# Altium PCB nrf_ha_sensor.PcbDoc (continued)
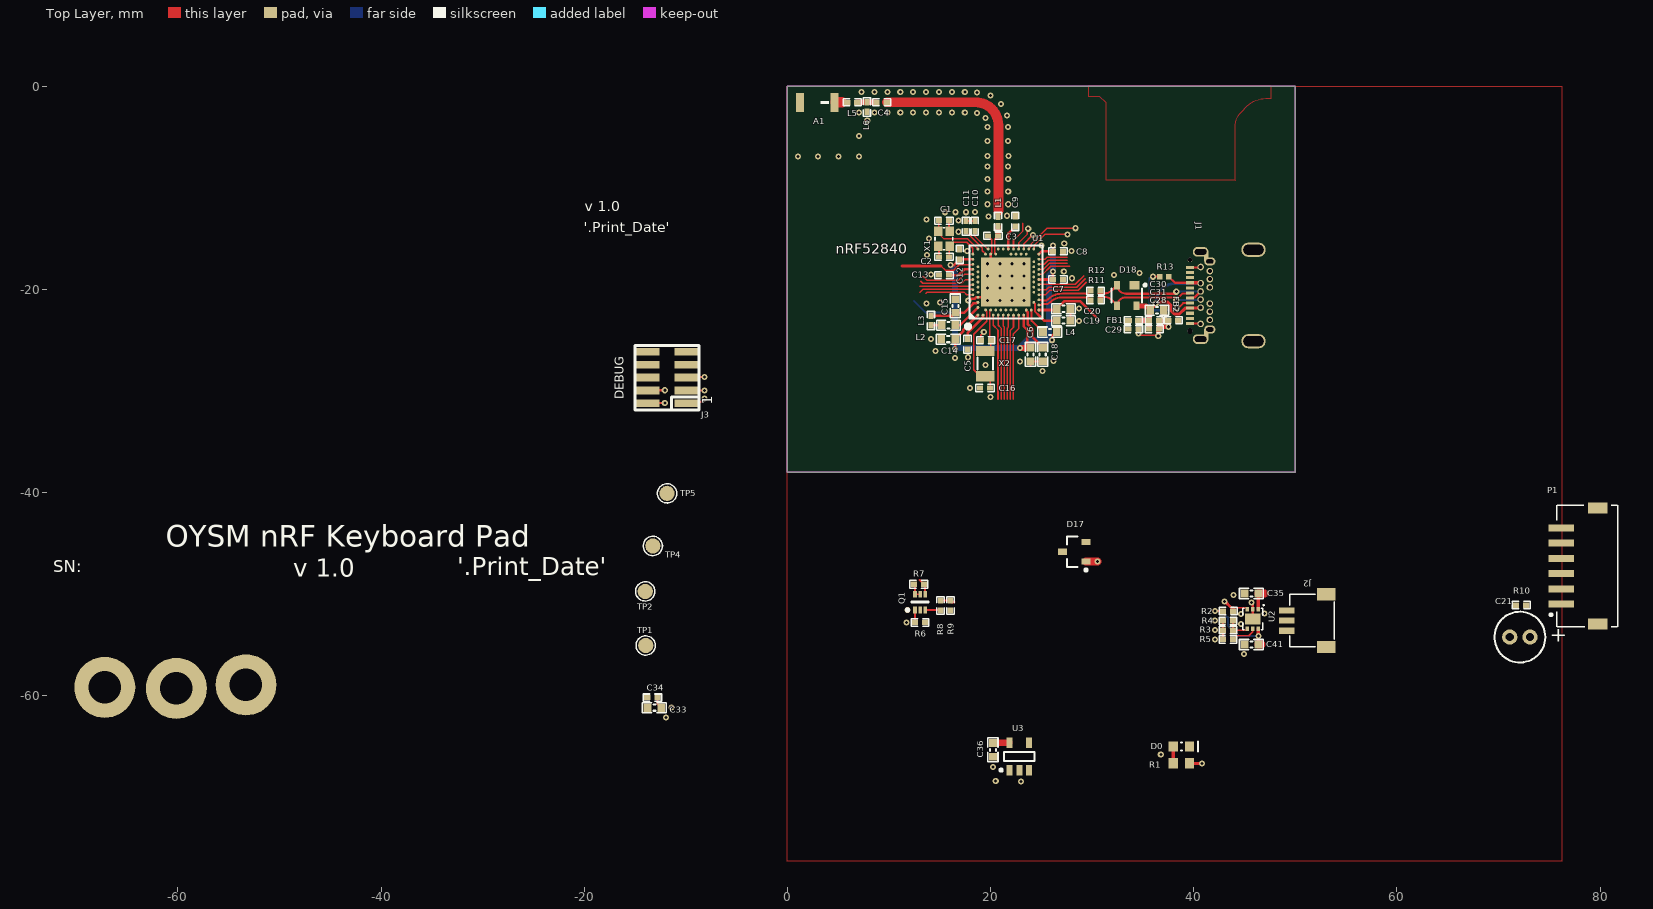
[diagram p0: Top Layer view]
## Part data (continued)
J1: library part 5676, "TH and SMD", id=5676, komponenttype=11, leverandor=Farnell, leverandor_varenr=2578451, navn="USB C connector", nokkelord="usb c solder", pakke_opprettet="08.02.2020 21:56:58", pakke_opprettet_av=1855, pris=20, produsent="JST (JAPAN SOLDERLESS TERMINALS)", symbol_opprettet="08.02.2020 21:55:28", symbol_opprettet_av=1855
J2: library part SM03B-SRSS-TB, "1.0mm pitch connector side entry SMD", Manufacturer=JST, Manufacturer Part Number=SM03B-SRSS-TB(LF)(SN), Part number IPS=00000001785, Supplier Part Number 1=455-1803-1-ND, Artikkelnr Noca=N.A., ComponentLink1Description=Datasheet, ComponentLink2Description="Supplier link", Footprint Doc=SM03B-SRSS-TB, HelpURL=http://www.jst-mfg.com/product/pdf/eng/eSH.pdf, LatestRevisionDate=2017-10-09, Note="JST, Header", Part Number=SM03B-SRSS-TB, Pin Count=3, Published=2017-10-09, Publisher="Nordic Semiconductor", Supplier 1=Digi-Key
J3: library part "Pin Header 2x5 SMD, 1.27mm, KS", "Pin Header 2x5, 1.27mm (50mil), SMD, Keying Shroud", 2nd source part number=FTSH-105-01-F-DV-K, Manufacturer=W-CON, Manufacturer Part Number=3132-10MS0BK00R1, 2nd source Supplier=Samtec, Artikkelnr Noca=55010009, Artikkelnr Simpro=N.A., Datasheet=\\hizz\pro\app9717\Datasheet\connectores\W-CON\3132-XXMXXBK00XX.pdf, Footprint Doc=HDR_2x5-SMD-1.27mm, LatestRevisionDate=2016-04-21, Part Number="Pin Header 2x5 SMD, 1.27mm, KS", Pin Count=10, Published=2016-01-22, Publisher="Nordic Semiconductor", Supplier=Cabcon, Supplier part number=3132-10MS0BK00R1
L1: library part L0402-3n3, "Inductor, 190mA, ±0.1nH", Manufacturer=Murata, Manufacturer Part Number=LQP15MN3N3B02D, Supplier part number=490-1130-1-ND, Artikkelnr Noca=33029369, Artikkelnr Simpro=N.A., Datasheet=http://search.murata.co.jp/Ceramy/image/img/PDF/ENG/L0075S0084LQP15M.pdf, Footprint Doc=0402, LatestRevisionDate=2012-09-19, Note="High frequency chip inductor ±5%", Part Number=L0402-3n3, Pin Count=2, Published=2009-05-08, Publisher="Nordic Semiconductor", Supplier=Digi-Key
L2 L4: library part L0603-10µ, "Inductor, 80mA, ±10%", 2nd source part number=178-6105, Manufacturer="Taiyo Yuden", Manufacturer Part Number=LBMF1608T100K, Supplier part number=587-1714-1-ND, 2nd source Supplier=Farnell, Artikkelnr Noca=33029314, Artikkelnr Simpro=N.A., Datasheet=http://www.yuden.co.jp/ut/product/pdf/elb2_e.pdf, Footprint Doc=0603, LatestRevisionDate=2012-09-19, Note="LBMF1608T100K 10µH 80mA 0603", Part Number=L0603-10µ, Pin Count=2, Published=2010-02-24, Publisher="Nordic Semiconductor", Supplier=Digi-Key
L3: library part L0402-15n, "Inductor, 320mA, ±5%", 2nd source part number=658-1328, Manufacturer="Taiyo Yuden", Manufacturer Part Number=HK100515NJ-T, Supplier part number=587-1521-1-ND, 2nd source Supplier=Farnell, Artikkelnr Noca=33029323, Artikkelnr Simpro=N.A., Datasheet=http://www.yuden.co.jp/productdata/catalog/en/mlci04_e.pdf, Footprint Doc=0402, LatestRevisionDate=2012-09-19, Note="High frequency chip inductor ±10%", Part Number=L0402-15n, Pin Count=2, Published=2010-07-12, Publisher="Nordic Semiconductor", Supplier=Digi-Key
L5: library part L0402-3n9, "Inductor, 170mA, ±0.1nH", Manufacturer=Murata, Manufacturer Part Number=LQP15MN3N9B02D, Part number IPS=00000007793, Supplier Part Number 1=490-1131-1-ND, Artikkelnr Noca=33029151, ComponentLink1Description=Datasheet, ComponentLink2Description="Supplier link", Footprint Doc=0402, HelpURL=http://search.murata.co.jp/Ceramy/image/img/PDF/ENG/L0075S0084LQP15M.pdf, LatestRevisionDate=2012-09-19, Note="High frequency chip inductor ±5%", Part Number=L0402-3n9, Pin Count=2, Published=2009-05-08, Publisher="Nordic Semiconductor", Supplier 1=Digi-Key
L6: library part L0402-N.C., "Not mounted", Part number IPS=N.A., Artikkelnr Noca=N.A., Assembly="Not mounted", ComponentLink1Description=Datasheet, ComponentLink2Description="Supplier link", Footprint Doc=0402, LatestRevisionDate=2016-11-24, Part Number=L0402-N.C., Pin Count=2, Published=2016-11-24, Publisher="Nordic Semiconductor"
P1: library part S6B-ZR-SM4A-TF
Q1: "Dual N & P Ch MOFET, 1.03A/0.7A, 480mOhm, 450mW", Manufacturer="Diodes Incorporated", Part number IPS=00000007803, Supplier Part Number 1=DMC2400UV-7DICT-ND, Artikkelnr Noca=N.A., ComponentLink1Description=Datasheet, ComponentLink2Description="Supplier link", Footprint Doc=SOT-563, HelpURL=http://www.diodes.com/_files/datasheets/DMC2400UV.pdf, LatestRevisionDate=2016-01-18, Manufacturer Part Number=DMC2400UV, Note="Dual N & P Channel Digital FET", Part Number=DMC2400UV, Pin Count=6, Published=2016-01-18, Publisher="Nordic Semiconductor", Supplier 1=Digi-Key
R1: library part 5389, "0.1W 1% Thick film resistor", antall=100, dybde=48, hylle=2, id=5389, komponenttype=1, lager_type=Fremlager, navn=1k, pakke_opprettet="08/07/2014 21:15:30", pakke_opprettet_av=815, pakketype=0603, pris=0, rad=-1, rom=OV, symbol_opprettet="08/07/2014 21:16:33", symbol_opprettet_av=815
R2: library part R0402-10k, "Resistor, ±1%, 0.063W", Part number IPS=00000002093, Supplier Part Number 1=173-8864, Artikkelnr Noca=27049097, ComponentLink1Description=Datasheet, ComponentLink2Description="Supplier link", Footprint Doc=0402, LatestRevisionDate=2009-11-23, Note="Chip Res 1%", Part Number=R0402-10k, Pin Count=2, Published=2009-05-08, Publisher="Nordic Semiconductor", Supplier 1=Farnell
R3: library part R0402-27k, "Resistor, ±1%, 0.063W", Part number IPS=00000004188, Supplier Part Number 1=173-8869, Artikkelnr Noca=27049107, ComponentLink1Description=Datasheet, ComponentLink2Description="Supplier link", Footprint Doc=0402, LatestRevisionDate=2009-11-23, Note="Chip Res 1%", Part Number=R0402-27k, Pin Count=2, Published=2009-05-08, Publisher="Nordic Semiconductor", Supplier 1=Farnell
R4: library part R0402-15k, "Resistor, ±1%, 0.063W", Part number IPS=00000002098, Supplier Part Number 1=173-8866, Artikkelnr Noca=27049101, ComponentLink1Description=Datasheet, ComponentLink2Description="Supplier link", Footprint Doc=0402, LatestRevisionDate=2009-11-23, Note="Chip Res 1%", Part Number=R0402-15k, Pin Count=2, Published=2009-05-08, Publisher="Nordic Semiconductor", Supplier 1=Farnell
R5: library part NCP15XH103F03RC, "THERMISTOR 10K OHM NTC 0402 SMD", Manufacturer=Murata, Part number IPS=00000007808, Supplier Part Number 1=490-4801-1-ND, Artikkelnr Noca=N.A., Assembly="Not mounted", ComponentLink1Description=Datasheet, ComponentLink2Description="Supplier link", Footprint Doc=0402, LatestRevisionDate=2015-03-25, Manufacturer Part Number=NCP15XH103F03RC, Note="Chip Res 1%", Part Number=NCP15XH103F03RC, Pin Count=2, Published=2015-03-25, Publisher="Nordic Semiconductor", Supplier 1=Digi-Key, Supplier 2=Farnell, Supplier Part Number 2=245-6121
R6 R7: library part R0402-1M0, "Resistor, ±1%, 0.063W", Part number IPS=00000006807, Artikkelnr Noca=27049145, ComponentLink1Description=Datasheet, ComponentLink2Description="Supplier link", Footprint Doc=0402, LatestRevisionDate=2009-11-23, Note="Chip Res 1%", Part Number=R0402-1M0, Pin Count=2, Published=2009-05-08, Publisher="Nordic Semiconductor"
R8: library part R0402-1M5, "Resistor, ±1%, 0.063W", Part number IPS=00000007809, Artikkelnr Noca=27049149, ComponentLink1Description=Datasheet, ComponentLink2Description="Supplier link", Footprint Doc=0402, LatestRevisionDate=2009-11-23, Note="Chip Res 1%", Part Number=R0402-1M5, Pin Count=2, Published=2009-05-08, Publisher="Nordic Semiconductor"
R9: library part R0402-180k, "Resistor, ±1%, 0.063W", Part number IPS=00000007810, Artikkelnr Noca=27049127, ComponentLink1Description=Datasheet, ComponentLink2Description="Supplier link", Footprint Doc=0402, LatestRevisionDate=2009-11-23, Note="Chip Res 1%", Part Number=R0402-180k, Pin Count=2, Published=2009-05-08, Publisher="Nordic Semiconductor"
R10: library part R0402-150, "Resistor, ±1%, 0.063W", Part number IPS=N.A., Supplier Part Number 1=173-8839, Artikkelnr Noca=27049053, ComponentLink1Description=Datasheet, ComponentLink2Description="Supplier link", Footprint Doc=0402, LatestRevisionDate=2009-11-23, Note="Chip Res 1%", Part Number=R0402-150, Pin Count=2, Published=2009-05-08, Publisher="Nordic Semiconductor", Supplier 1=Farnell
R11 R12: library part R0402-39R, "Resistor, ±1%, 0.063W", Part number IPS=00000000821, Supplier part number=173-8831, Value Ohm=39, Artikkelnr Noca=27049039, Artikkelnr Simpro=N.A., Footprint Doc=0402, LatestRevisionDate=2009-11-23, Note="Chip Res 1%", Part Number=R0402-39R, Pin Count=2, Published=2009-05-08, Publisher="Nordic Semiconductor", Supplier=Farnell
R13: library part 5677, "0.1W 1% Thick film resistor", id=5677, komponenttype=1, navn=56k, pakke_opprettet="12.05.2019 22:25:28", pakke_opprettet_av=1855, pakketype=0402, pris=0, symbol_opprettet="08.07.2014 21:16:33", symbol_opprettet_av=815
TP1 TP2 TP4 TP5: library part TP_SMD_Ø1.5MM, "1.0mm circular SMD testpad", Manufacturer="Nordic Semiconductor", Part number IPS=N.A., Artikkelnr Noca=N.A., ComponentLink1Description=Datasheet, ComponentLink2Description="Supplier link", Footprint Doc=TP_SMD_Ø1.5mm, LatestRevisionDate=2016-06-02, Part Number=TP_SMD_Ø1.5MM, Pin Count=1, Published=2016-06-02, Publisher="Nordic Semiconductor"
U1: library part nRF52840-QIAAAA, "Multi-protocol Bluetooth Low Energy, IEEE 802.15.4, ANT and 2.4GHz proprietary system-on-chip", Manufacturer="Nordic Semiconductor", Artikkelnr Noca=15079344, Artikkelnr Simpro=N.A., Footprint Doc=AQFN-73, LatestRevisionDate=2016-11-22, Manufacturer Part Number=nRF52840-QIAAAA, Part Number=nRF52840-QIAAAA, Pin Count=73, Published=2016-06-22, Publisher="Nordic Semiconductor", Supplier="Nordic Semiconductor", Supplier part number=nRF52840-QIAAAA
U2: library part XC6804A4E14R-G, "One Cell Li-ion/Li-polymer Linear Charger IC with Battery Temperature Detection", Manufacturer="Torex Semiconductor", Part number IPS=00000007825, Supplier Part Number 1=893-1312-1-ND, Artikkelnr Noca=N.A., ComponentLink1Description=Datasheet, ComponentLink2Description="Supplier link", Footprint Doc=USP-6EL, HelpURL=https://www.torexsemi.com/file/xc6804/XC6804.pdf, LatestRevisionDate=2016-09-29, Manufacturer Part Number=XC6804A4E14R-G, Part Number=XC6804A4E14R-G, Pin Count=6, Published=2016-09-29, Publisher="Nordic Semiconductor", Supplier 1=Digi-Key, Supplier 2=Mouser, Supplier Part Number 2=865-XC6804A4E14R-G
U3: library part TCK106AF,LF, "1.0 A Load Switch IC with Slew Rate Control Driver in Small Package", Manufacturer=Toshiba, Part number IPS=00000007823, Supplier Part Number 1=TCK106AFLFCT-ND, Artikkelnr Noca=15070086, ComponentLink1Description=Datasheet, ComponentLink2Description="Supplier link", Footprint Doc=SOT-25, HelpURL=https://toshiba.semicon-storage.com/info/docget.jsp?did=53240&prodName=TCK108AF, LatestRevisionDate=2016-09-29, Manufacturer Part Number=TCK106AF,LF, Part Number=TCK106AF,LF, Pin Count=5, Published=2016-09-29, Publisher="Nordic Semiconductor", Supplier 1=Digi-Key
X1: library part XTAL_SMD2016_32MHz_8pF_Epson, "XTAL SMD 2016, 32MHz, Cl=8pF, Tol: ±10ppm, Stab: ±10ppm", Manufacturer="Epson Toyocom", Manufacturer Part Number=Q22FA12800025, Supplier part number=171-2806, Artikkelnr Noca=22019238, Artikkelnr Simpro=N.A., Datasheet=http://www.epsondevice.com/docs/qd/en/DownloadServlet?id=ID000449, Footprint Doc=XTAL_2016, LatestRevisionDate=2014-11-27, Note="XTAL SMD 32.000MHz", Part Number=XTAL_SMD2016_32MHz_8pF_Epson, Pin Count=4, Published=2012-03-09, Publisher="Nordic Semiconductor", Supplier=Farnell
X2: library part XTAL_SMD3215_32.768kHz_9pF_Kyocera_HT, "XTAL SMD 3215, 32.768kHz, 9pF, ±20ppm, -40°C ~ 125°C", Manufacturer=Kyocera, Manufacturer Part Number=ST3215SB32768E0HSZB1, Supplier part number=1253-1402-1-ND, Artikkelnr Noca=22019249, Artikkelnr Simpro=N.A., Datasheet=http://media.digikey.com/pdf/Data%20Sheets/AVX%20PDFs/ST3215SB_Series.pdf, Footprint Doc=XTAL_3215, LatestRevisionDate=2015-10-15, Note="XTAL SMD 32.768kHz", Part Number=XTAL_SMD3215_32.768kHz_9pF_Kyocera_HT, Pin Count=2, Published=2015-06-10, Publisher="Nordic Semiconductor", Supplier=Digi-Key
D17: DigiKey=1727-5210-1-ND, Part Number=PMEG4005CT

## Free pads (board coordinates)
  round 6 hole 3.2: 666(-67.2,-59.175) 666(-60.15,-59.275) 666(-53.3,-58.925)

## Via types
v1: diameter 0.6, hole 0.3, Top Layer to Bottom Layer, tented both sides, 142 vias

## Nets (pads, with @x,y where several pads share a name; then routed paths per layer and width w, separated by ;. In a path a pad name is that pad's centre, name@x,y a point inside that pad or via, vN(x,y) a via of type N, cw(c..) or ccw(c..) an arc to the next point about the centre after c; other vN are vias at no path point)
ANT: A1.1 L5.2 | length 0.6
  Top Layer w1.016: A1.1@4.751,-1.58 5.376,-1.58
D*_N: D18.3 J1.7 J1.19 R11.2 | length 12.6
  Top Layer w0.2: 30.6,-20.747 31.182,-20.747 cw(c31.182,-21.876) 31.98,-21.078 D18.3@32.458,-21.556 ; D18.3 cw(c33.305,-21.625) D18.3@32.458,-21.556 ; J1.7 39.575,-20.395 38.905,-20.395 v1(38.275,-21.025) ccw(c38.025,-21.025) 38.025,-20.775 33.305,-20.775 ccw(c33.305,-21.625) D18.3@32.458,-21.556
  Bottom Layer w0.2: v1(38.275,-21.025) 40.645,-21.025 J1.19
D*_P: D18.2 J1.6 J1.18 R12.2 | length 12.3
  Top Layer w0.2: R12.2@30.6,-20.39 31.16,-20.39 ; 31.182,-20.39 ccw(c31.182,-19.261) 31.98,-20.059 D18.2@32.455,-19.584 ; D18.2 ccw(c33.305,-19.575) D18.2@32.455,-19.584 ; D18.2@32.465,-19.575 D18.2@32.455,-19.584 ; v1(38.275,-20.225) cw(c38.075,-20.225) 38.075,-20.425 33.305,-20.425 cw(c33.305,-19.575) D18.2@32.455,-19.584 ; J1.6 39.675,-20.795 40.071,-20.795 40.219,-20.647 40.219,-20.645 40.669,-20.195 J1.18
  Bottom Layer w0.2: v1(38.275,-20.225) 40.645,-20.225 J1.18
D_N: R11.1 U1.AD4 | length 5.4
  Top Layer w0.2: U1.AD4 24.97,-21.525 25.041,-21.453 25.352,-21.453 ccw(c25.352,-20.654) 25.917,-21.219 cw(c26.985,-22.288) 26.985,-20.777 29.375,-20.777 ; 29.375,-20.775 29.55,-20.775 R11.1
D_P: R12.1 U1.AD6 | length 5.4
  Top Layer w0.2: U1.AD6 24.97,-21.025 25.041,-21.096 25.352,-21.096 ccw(c25.352,-20.654) 25.664,-20.967 cw(c26.985,-22.288) 26.985,-20.42 29.375,-20.42 ; 29.375,-20.425 29.55,-20.425 R12.1
DEC1: C5.1 U1.C1 | length 3
  Top Layer w0.25: C5.1 17.725,-24.3 19.25,-22.775 U1.C1
DEC2: C10.2 U1.E24 | length 2.3
  Top Layer w0.15: C10.2 18.45,-14.783 19.692,-16.025 U1.E24
DEC3: C11.1 U1.D23 | length 3
  Top Layer w0.15: C11.1 17.575,-14.325 19.175,-15.925 19.175,-16.194 19.5,-16.519 U1.D23
DEC4: C15.2 L3.1 U1.B5 | length 4.8
  Top Layer w0.25: L3.1 C15.2@16.25,-22.575 ; C15.2 17.388,-22.3 18.313,-21.375 18.574,-21.375 18.674,-21.275 U1.B5
GND: C1.2 C2.2 C3.1 C5.2 C6.2 C7.2 C8.2 C9.2 C10.1 C11.2 C12.2 C13.2 C14.2 C15.1 C16.1 C17.1 C18.2 C19.2 C20.2 C21.1 C28.1 C29.1 C30.1 C31.1 C33.2 C34.2 C35.1 C36.1 C41.1 D18.1 FB2.2 J2.1 J3.3 J3.5 J3.9 L6.2 P1.2 P1.4 P1.SH1 P1.SH2 pad.666 Q1.1 R3.2 R4.2 R5.2 R6.2 R9.2 TP5.1 U1.74 U1.B7 U1.F23 U2.2 U2.7 U3.2 X1.2 X1.4 | length 32.9
  Top Layer w0.145: C17.1 19.025,-24.5 v1(19.325,-24.2) ; C3.1 20.105,-15.104 20.105,-16.42 U1.F23
  Top Layer w0.15: v1(34.575,-24.325) 34.75,-24.5 36.425,-24.5 v1(36.5,-24.575)
  Top Layer w0.2: C34.2 -12.8,-60.775 -12.425,-61.15 C33.2 ; J3.3 v1(-8.165,-29.945) ; J3.5@-9.9,-28.635 v1(-8.165,-28.635) ; R6.2 12.556,-52.769 Q1.1 ; X1.2 14.905,-15.814 C2.2 ; C1.2 15.905,-14.214 X1.4 ; C11.2 C10.1 ; 23.925,-27.5 C6.2 C18.2 ; C19.2 C20.2 ; R5.2 R3.2 R4.2
  Top Layer w0.25: v1@17.857,-20.933 18.419,-20.933 18.576,-20.775 U1.B7 20,-20.775 U1.74 20,-17.775 U1.F23
  Top Layer w0.254: v1(45.671,-50.82) 45.798,-50.947 U2.2 U2.7
  Top Layer w0.4: v1@36.5,-24.47 36.5,-23.9 C28.1 C28.1@36.6,-23.675 ; C30.1 37.075,-22.05 37.075,-23.05 ; C28.1@36.6,-23.675 v1(37.525,-23.675) 37.525,-23.05 FB2.2 37.075,-23.05 ; C28.1@36.6,-23.675 C31.1 37.075,-23.05
  other v1: 23,-68.45 20.5,-68.4 20.225,-67.025 36.75,-65.775 -11.95,-62.125 -11.4,-61.15 44.934,-55.9 42.089,-54.453 42.089,-53.513 44.629,-52.954 11.7,-52.775 42.064,-52.573 44.655,-51.938 46.966,-51.913 11.8,-51.575 43.9,-50.1 19.975,-30.575 17.975,-29.7 25.125,-28.025 19.5,-27.427 22.875,-27.1 26.175,-27.025 16.475,-26.75 17.775,-26.675 14.575,-26.05 14.125,-24.9 28.7,-23.1 37.075,-22.65 28.7,-21.875 13.675,-21.4 15,-21.275 17.8,-21.075 19.7,-21.075 20.9,-21.075 22.1,-21.075 23.3,-21.075 19.7,-19.875 20.9,-19.875 22.1,-19.875 23.3,-19.875 28,-18.898 19.7,-18.675 20.9,-18.675 22.1,-18.675 23.3,-18.675 32.15,-18.575 14.125,-18.525 34.65,-18.375 27.2,-18.25 19.7,-17.475 20.9,-17.475 22.1,-17.475 23.3,-17.475 13.725,-16.6 17.7,-16.225 27.976,-16.199 25,-15.675 27.244,-15.497 13.925,-15 16.825,-14.325 16.825,-13.2 13.675,-13.1 19.775,-12.825 21.6,-12.75 15.525,-12.4 16.525,-12.4 17.575,-12.4 18.444,-12.397 19.683,-11.615 21.733,-11.615 19.681,-10.372 21.731,-10.372 19.68,-9.129 21.73,-9.129 19.678,-7.886 21.728,-7.886 1.025,-6.9 3.025,-6.9 5.025,-6.9 7.025,-6.9 19.7,-6.875 21.75,-6.875 19.675,-5.4 21.725,-5.4 7.025,-4.9 19.7,-4.025 21.7,-4.025 19.514,-3.116 21.622,-2.887 18.675,-2.633 7.042,-2.599 8.566,-2.599 9.836,-2.599 11.106,-2.599 12.376,-2.599 13.646,-2.599 14.916,-2.599 16.186,-2.599 17.456,-2.599 21.012,-1.744 19.984,-0.926 18.675,-0.601 7.296,-0.567 8.566,-0.567 9.836,-0.567 11.106,-0.567 12.376,-0.567 13.646,-0.567 14.916,-0.567 16.186,-0.567 17.456,-0.567
NetC3_2: C3.2 L1.1 U1.H23 | length 2.9
  Top Layer w0.145: U1.H23 20.395,-16.42 20.395,-15.055 20.729,-14.72 C3.2@20.734,-14.715
  Top Layer w0.508: C3.2@20.729,-14.72 L1.1@20.729,-13.826
NetC4_1: C4.1 L5.1 L6.1 | length 1.9
  Top Layer w0.508: L5.1 C4.1
NetC9_1: C9.1 U1.N24 | length 2.5
  Top Layer w0.25: U1.N24 21.75,-14.475 C9.1
NetC13_1: C13.1 U1.A18 | length 2.6
  Top Layer w0.25: C13.1 16.851,-18.6 17.426,-18.025 U1.A18
NetC19_1: C19.1 U1.AC5 | length 3.5
  Top Layer w0.184: U1.AC5 24.375,-21.4 24.375,-22.18 24.628,-22.433
  Top Layer w0.25: 24.628,-22.433 25.27,-23.075 C19.1
NetC21_2: C21.2 P1.1 R10.2
NetC28_2: C28.2 C30.2 C31.2 D18.4 FB1.1 J1.4 J1.9 J1.16 J1.21 R13.1 | length 19.5
  Top Layer w0.2: R13.1 38.145,-19.345 J1.9 ; J1.16@40.65,-19.37 J1.16
  Top Layer w0.3: C28.2 C28.2@35.65,-23.85 ; C30.2@35.65,-22.1 C30.2 35.7,-22.025 35.925,-21.8 v1@36.3,-21.425 ; v1@36.5,-21.225 37.417,-21.225 37.733,-21.541 37.733,-22.073 38.081,-22.421 38.581,-22.421 39.158,-21.845 J1.4 40.625,-21.845 J1.21 ; J1.9 40.625,-19.345 J1.16@40.65,-19.37
  Top Layer w0.5: D18.4 35.3,-21.625 C30.2@35.7,-22.025 ; FB1.1 C31.2 ; C28.2@35.65,-23.85 C30.2@35.65,-22.1
  Bottom Layer w0.3: v1(36.25,-21.375) cw(c38.23,-21.375) 38.23,-19.395 J1.16
NetD0_1: D0.1 R1.1 | length 1.6
  Top Layer w0.3: R1.1 D0.1
NetFB2_1: FB2.1 J1.1 J1.12 J1.13 J1.24 | length 2.1
  Top Layer w0.2: J1.1 39.65,-23.37 40.65,-23.37 J1.24 ; J1.12 40.625,-17.845 ccw(c40.625,-17.795) J1.13
NetJ1_5: J1.5 R13.2 | length 8.3
  Top Layer w0.2: v1(35.975,-18.75) R13.2 ; v1(38.328,-21.826) 38.474,-21.826 38.955,-21.345 J1.5
  Bottom Layer w0.2: v1(35.975,-18.75) 35.8,-18.75 35.625,-18.925 35.625,-21.65 36.025,-22.05 38.104,-22.05 v1(38.328,-21.826)
NetL2_1: L2.1 L3.2 | length 1.1
  Top Layer w0.25: L3.2 L2.1
NetL2_2: L2.2 U1.B3 | length 2.9
  Top Layer w0.25: L2.2 17,-23.525 U1.B3
NetL4_2: L4.2 U1.AB2 | length 2.7
  Top Layer w0.21: U1.AB2 24.033,-22.058 24.033,-23.083 L4.2
NetP1_3: P1.3
NetP1_5: P1.5
NetQ1_3: Q1.3 R8.1 | length 1.5
  Top Layer w0.2: Q1.3 15.017,-51.553 R8.1
NetQ1_5: Q1.5 Q1.6 R7.2 | length 1.5
  Top Layer w0.152: R7.2 12.556,-49.152 Q1.6 Q1.5
NetR3_1: R3.1 R4.1 U2.4 | length 2.4
  Top Layer w0.152: R4.1 R3.1 45.131,-53.538 U2.4
NTC: J2.2 R5.1 U2.5 | length 2.5
  Top Layer w0.152: R5.1 44.215,-54.097 45.403,-54.097 45.798,-53.702 U2.5
P0.00/XL1: C16.2 U1.D2 X2.1 | length 8.5
  Top Layer w0.145: X2.1@19.376,-28.651 19.076,-28.651 18.325,-27.9 18.325,-24.416 19.605,-23.136 19.605,-22.13 U1.D2 ; C16.2 X2.1@19.95,-29.027
P0.01/XL2: C17.2 U1.F2 X2.2 | length 4
  Top Layer w0.145: U1.F2 19.895,-22.13 19.895,-24.87 C17.2
  Top Layer w0.15: X2.2@20.025,-25.9 C17.2
P0.02/AIN0: U1.A12 | length 5.3
  Top Layer w0.15: 13.025,-19.7 17.9,-19.7 18.075,-19.525 U1.A12
P0.03/AIN1: U1.B13
P0.04/AIN2: R8.2 R9.1 U1.J1 | length 9.8
  Top Layer w0.15: U1.J1 20.75,-23.525 21.025,-23.8 21.025,-30.825
  Top Layer w0.2: R8.2 R9.1
  Top Layer w0.3: R9.1 16.04,-50.625 16.165,-50.75 16.375,-50.75
P0.05/AIN3: U1.K2
P0.06: U1.L1 | length 8.3
  Top Layer w0.15: U1.L1 21.25,-23.608 21.325,-23.683 21.325,-30.825
P0.07/TRCLK: U1.M2
P0.08: U1.N1 | length 8.4
  Top Layer w0.15: 21.625,-30.825 21.625,-23.816 21.75,-23.691 U1.N1
P0.09/NFC1: U1.L24
P0.10/NFC2: U1.J24
P0.11/TRC2: U1.T2
P0.12/TRC1: U1.U1 | length 8.5
  Top Layer w0.15: 22.225,-30.825 22.225,-24.4 22.75,-23.875 U1.U1
P0.13: U1.AD8 U3.3 | length 5.2
  Top Layer w0.15: U1.AD8 25.4,-20.525 25.832,-20.093 28.625,-20.093 29.418,-19.3
P0.14: U1.AC9
P0.15: Q1.2 R6.1 U1.AD10 | length 5
  Top Layer w0.15: U1.AD10 25.483,-20.025 25.711,-19.797 28.475,-19.797 29.322,-18.95
P0.16: U1.AC11
P0.17: U1.AD12 | length 4.8
  Top Layer w0.15: U1.AD12 24.773,-19.502 28.325,-19.502 29.177,-18.65
P0.18/RESET: U1.AC13
P0.19: U1.AC15
P0.20: U1.AD16 | length 3.4
  Top Layer w0.15: U1.AD16 25.108,-18.525 25.908,-17.725 27.8,-17.725
P0.21: U1.AC17
P0.22: U1.AD18 | length 3
  Top Layer w0.15: U1.AD18 25.191,-18.025 25.787,-17.429 27.55,-17.429
P0.23: U1.AC19
P0.24: U1.AD20 | length 3
  Top Layer w0.15: U1.AD20 25.273,-17.525 25.665,-17.134 ; 25.665,-17.133 27.55,-17.133
P0.25: U1.AC21
P0.26: U1.G1 | length 8.5
  Top Layer w0.15: U1.G1 20.25,-23.525 20.725,-24 20.725,-30.825
P0.27: U1.H2
P0.28/AIN4: U1.B11
P0.29/AIN5: U1.A10 | length 5.3
  Top Layer w0.15: 13.025,-20.3 13.325,-20 U1.A10@18.225,-20
P0.30/AIN6: U1.B9
P0.31/AIN7: U1.A8 | length 4.8
  Top Layer w0.15: 13.625,-20.4 13.725,-20.3 17.425,-20.3 17.65,-20.525 U1.A8
P1.00/TRC0: D0.2 R2.2 U1.AD22 U2.3 | length 5.7
  Top Layer w0.15: U1.AD22 25.355,-17.025 25.542,-16.838 27.55,-16.838
  Top Layer w0.152: 43.885,-51.354 45.131,-51.354 U2.3
  Top Layer w0.3: v1@43.05,-50.7 43.704,-51.354 43.885,-51.354 R2.2
  other v1: 43.025,-50.725
P1.01: U1.Y23
P1.02: U1.W24 | length 1.8
  Top Layer w0.15: U1.W24 23.25,-15.525 24.15,-14.625 v1(24.161,-14.625)
P1.03: U1.V23
P1.04: U1.U24 | length 2.4
  Top Layer w0.15: U1.U24 22.75,-15.425 23.625,-14.55 23.625,-14.1 v1(23.7,-14.025)
P1.05: U1.T23
P1.06: U1.R24 | length 2.9
  Top Layer w0.15: U1.R24 22.25,-15.175 23.175,-14.25 23.175,-13.48
P1.07: U1.P23
P1.08: U1.P2
P1.09/TRC3: U1.R1 | length 8.4
  Top Layer w0.15: 21.925,-30.825 21.925,-24.05 22.25,-23.725 U1.R1
P1.10: U1.A20 | length 7.4
  Top Layer w0.15: 15.125,-17.7 15.545,-18.12 16.368,-18.12 16.918,-17.57 18.25,-17.57 U1.A20
  Top Layer w0.3: 11.275,-17.7 15.125,-17.7
P1.11: U1.B19
P1.12: U1.B17
P1.13: U1.A16 | length 5.3
  Top Layer w0.15: 13.325,-18.7 13.725,-19.1 16.839,-19.1 17.414,-18.525 U1.A16
P1.14: U1.B15
P1.15: U1.A14 | length 5.4
  Top Layer w0.15: 13.125,-19.2 13.32,-19.395 17.147,-19.395 17.517,-19.025 U1.A14
RF: C4.2 L1.2 | length 20.7
  Top Layer w0.965: C4.2 18.525,-1.58 cw(c18.525,-3.816) 20.761,-3.816 20.761,-12.263
SWDCLK: J3.4 U1.AA24 | length 7.4
  Top Layer w0.15: U1.AA24 23.75,-15.991 23.979,-15.762 23.979,-15.542 25.546,-13.975 v1(28.35,-13.975) v1@28.39,-13.975
  Top Layer w0.2: J3.4 -13.78,-29.925 v1(-12.075,-29.925)
SWDIO: J3.2 U1.AC24 | length 5.8
  Top Layer w0.15: U1.AC24 24.274,-16.001 24.274,-15.664 25.363,-14.575 v1(27.55,-14.575)
  Top Layer w0.2: J3.2 -13.785,-31.2 v1(-12.075,-31.2)
VBUS: C20.1 C29.2 C33.1 C34.1 C41.2 D17.2 FB1.2 R1.2 R2.1 TP2.1 U1.AD2 U2.6 | length 16.6
  Top Layer w0.203: v1(42.089,-51.67) R2.1
  Top Layer w0.25: U1.AD2 26.375,-22.025 C20.1 27.25,-21.15 28.8,-21.15 30.35,-22.7
  Top Layer w0.3: R1.2 v1(40.825,-66.65)
  Top Layer w0.381: C41.2@46.348,-54.959 U2.6
  Top Layer w0.762: C41.2 46.587,-54.961 ccw(c46.587,-52.421) 46.688,-54.959 C41.2@46.348,-54.959
  Bottom Layer w0.2: v1(42.089,-51.67) 42.72,-51.67 43.35,-52.3 43.35,-53.05 44.4,-54.1 v1(46.35,-54.1)
VDD: TP4.1 U3.1
VDD_P3V3: C6.1 C7.1 C8.1 C12.1 C14.1 J3.1 L4.1 P1.6 R10.1 U1.A22 U1.AD14 U1.AD23 U1.B1 U1.W1 | length 50.9
  Top Layer w0.2: J3.1 -9.785,-31.1 -8.525,-31.1 v1(-8.175,-30.75)
  Top Layer w0.25: v1(16.05,-17.6) 16.4,-17.6 C12.1 16.975,-17.025 U1.A22 ; v1(16.5,-25.875) C14.1 17.325,-24.075 17.325,-23.95 U1.B1 ; U1.W1 23.25,-23.625 23.625,-24 23.625,-25.425 C6.1 ; U1.AD14 C7.1 v1(26.125,-18.25) ; U1.AD23 25.025,-16.25 C8.1 26.175,-16.2 v1@26.175,-15.675 ; v1(26.05,-25) 26.05,-24.6 26.45,-24.2 L4.1
  Top Layer w0.6: v1(22.875,-25.75) 23.9,-25.75 C6.1
  Bottom Layer w0.2: 12.45,-21.125 13.575,-22.25 16.5,-22.25
  Bottom Layer w0.6: v1(16.05,-17.6) 16.5,-18.05 16.5,-22.25 v1(16.5,-25.875) 16.625,-25.75 v1(22.875,-25.75) 23.625,-25 v1(26.05,-25) 25.75,-24.7 25.75,-18.625 v1(26.125,-18.25) 26.15,-18.225 v1(26.15,-15.675)
VDDH: C18.1 C36.2 D17.3 U1.Y2 U3.5 | length 6.2
  Top Layer w0.25: U1.Y2 23.5,-22.101 23.658,-22.26 23.658,-23.433 24.125,-23.9 24.125,-24.7 25.125,-25.7 C18.1
  Top Layer w0.4: C18.1 cw(c25.246,-25.846) C18.1@25.246,-25.675
  Top Layer w0.6: C36.2@20.225,-64.625 C36.2 cw(c20.25,-64.65) 20.25,-64.625 U3.5
VLi-Ion: C35.2 D17.1 J2.3 Q1.4 R7.1 TP1.1 U2.1 | length 4.9
  Top Layer w0.2: 13,-48.597 R7.1 13.556,-49.152 Q1.4
  Top Layer w0.381: U2.1 C35.2@46.348,-49.933
  Top Layer w0.762: D17.1 v1(30.525,-46.775) ; C35.2 46.957,-49.931
XC1: C1.1 U1.B24 X1.1 | length 5.8
  Top Layer w0.15: C1.1 14.905,-14.53 15.4,-15.025 17.75,-15.025 U1.B24
XC2: C2.1 U1.A23 X1.3 | length 4.3
  Top Layer w0.15: C2.1 15.905,-15.814 X1.3 16.368,-15.35 17.65,-15.35 18.25,-15.95 U1.A23
pads on no net: A1.2 J1. J1.0 J1.2 J1.3 J1.8 J1.10 J1.11 J1.14 J1.15 J1.17 J1.20 J1.22 J1.23 J2.0 J3.6 J3.7 J3.8 J3.10 U3.4
copper on no net:
  other v1: 7.855,-3.386

## Polygon pours and split planes (outlines as drawn)
GND on Top Layer "Top_Layer-GND" (solid, remove dead copper, shelved, pour order 11): 0,-76.275 0,0 76.2,0 76.2,-76.275
NetFB2_1 on Top Layer "Top Layer-NetFB2_1" (solid, shelved, pour order 6): 47.6,0 29.625,0 29.625,-1 30.7,-1 31.325,-1.6 31.325,-9.2 44.025,-9.2 44.075,-9.25 44.075,-3.999 cw(c46.124,-3.999) 44.675,-2.55 45.281,-1.944 cw(c47.077,-3.74) 47.077,-1.2 47.6,-1.2
GND on Bottom Layer "Bottom_Layer-GND" (solid, remove dead copper, shelved, pour order 13): 0,-76.275 0,0 76.2,0 76.2,-76.275

## Keep-outs
Keep-Out Layer:
  the board outline again, w0.152

## Other copper
Top Layer:
  pour cut-out: 39.225,-19.25 39.225,-17.975 38.125,-17.975 38.125,-19.25
  pour cut-out: 38.3,-67.425 38.3,-66.925 39.35,-66.925 39.35,-67.425
  pour cut-out: 6.635,-6.53 -3.165,-6.53 -3.175,3.33 -3.165,3.34 6.635,3.34
  pour cut-out: 27.75,-23.775 26.25,-23.775 26.25,-21.275 27.75,-21.275
  pour cut-out: 25.487,-16.702 24.427,-17.762 22.659,-15.995 23.72,-14.934
  pour cut-out: 22.25,-19.025 20.75,-19.025 20.75,-16.525 22.25,-16.525
  pour cut-out: 21.825,-13.199 21.825,-15.943 18.929,-15.943 18.929,-13.199
  pour cut-out: 14.52,-23.995 14.655,-23.995 14.655,-23.796 14.52,-23.796
  pour cut-out: 15.695,-24.07 16.044,-24.07 16.044,-23.297 15.544,-23.297

## Silkscreen, mask and mechanical layers (free items; w line width, h text height)
Top Overlay:
  text "v 1.0" at -19.95,-12.325 h1
  text "'.Print_Date'" at -20.05,-14.375 h1
  text "nRF52840" at 4.75,-16.5 h1
  text "DEBUG" at -15.8,-30.825 h1.5 r90
  text "OYSM nRF Keyboard Pad" at -61.175,-46.025 h3.6
  text "SN:" at -72.25,-48.225 h2
  text "'.Print_Date'" at -32.5,-48.725 h3
  text "v 1.0" at -48.65,-48.875 h3
Mechanical 1:
  the board outline again, w0.152

## Text inside footprints (layer, text, board x,y; h text height)
C21: Top Overlay "+" at 75.05,-53.475 h1.52 r180
J3: Top Overlay "1" at -7.4,-31.375 h1.02 r90